# Altium PCB iMX6 Rex_V1I1_PCB.PcbDoc (part 3 of 8) (continued)
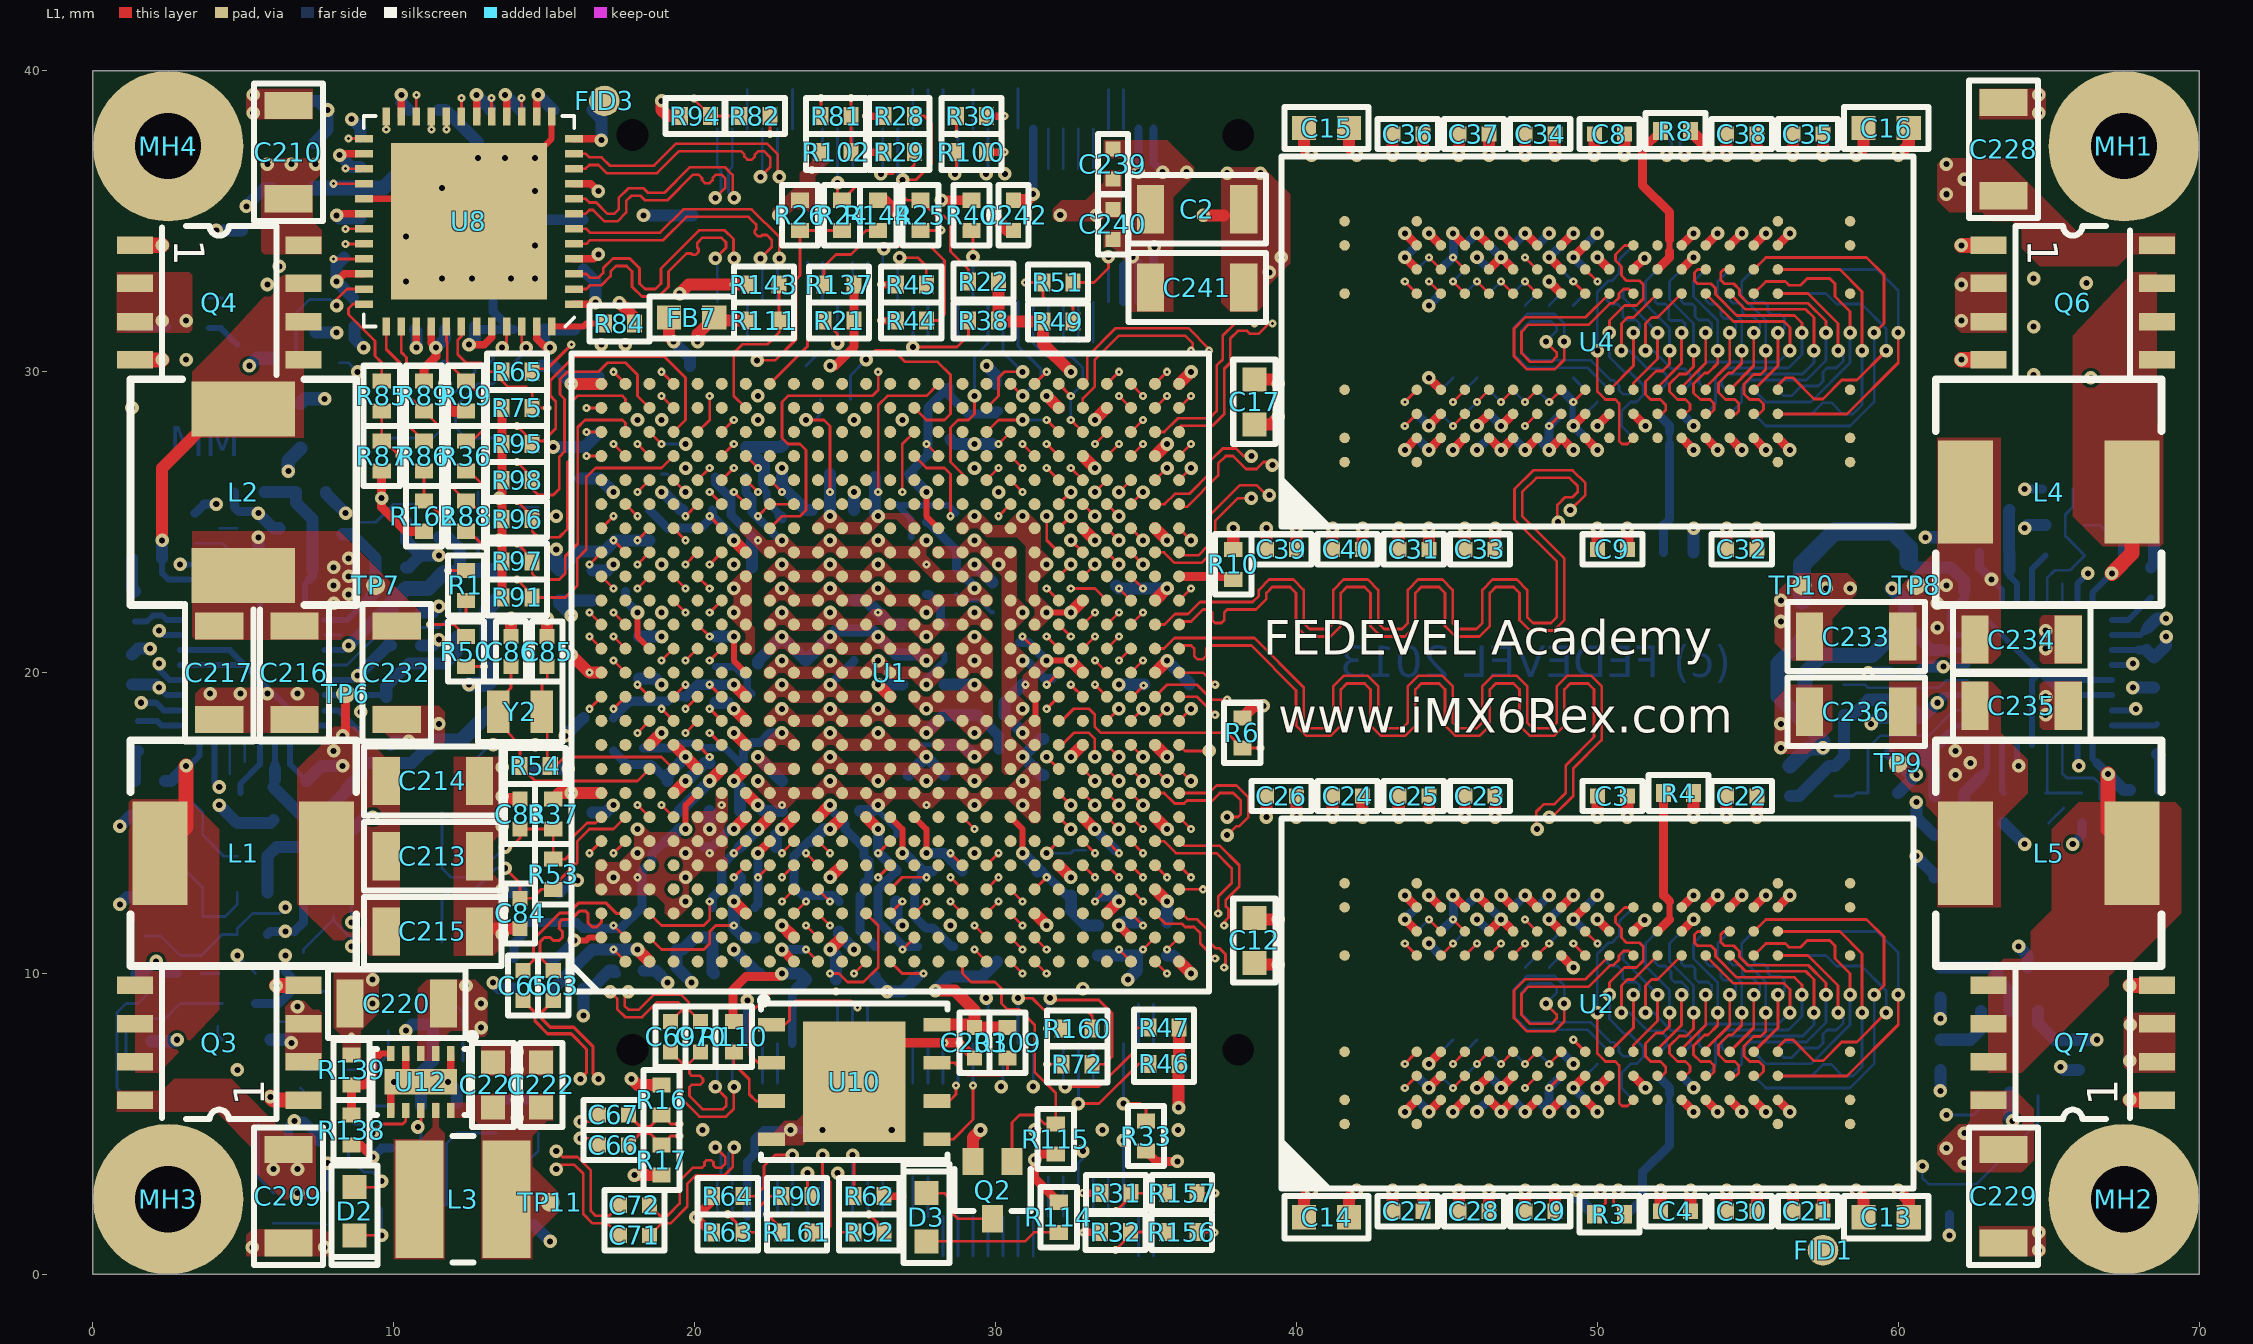
[diagram p0: L1 view]
## Nets (pads, with @x,y where several pads share a name; then routed paths per layer and width w, separated by ;. In a path a pad name is that pad's centre, name@x,y a point inside that pad or via, vN(x,y) a via of type N, cw(c..) or ccw(c..) an arc to the next point about the centre after c; other vN are vias at no path point) (continued)
DRAM_A10: U1.AA15 U2.L7 U3.L7 U4.L7 U5.L7 | length 73.3
  L1 w0.093: U1.AA15@32.9,21.6 v2(33.3,22) ; v1(50.8,8.7) 50.8,9.6 51,9.8 51.2,9.8 U2.L7@52,10.6 ; v1(50.8,30.7) 50.8,31.6 51,31.8 51.2,31.8 U4.L7@52,32.6
  L2 w0.1: v3(33,22.3) v2(33.3,22)
  L3 w0.08: v3(33,22.3) 33.7,23 33.985,23 34.4,22.585 34.698,22.585 35.513,23.4 48.7,23.4 49.1,23 49.1,21.9 48.95,21.75 48.7,21.75 48.55,21.9 48.55,22.65 48.4,22.8 48.15,22.8 48,22.65 48,21.9 47.85,21.75 47.6,21.75 47.45,21.9 47.45,22.65 47.3,22.8 45.9,22.8 45.7,22.6 45.7,22.2 45.9,22 v4(46.4,22)
  L10 w0.08: v1(50.8,8.7) 50.8,9.6 52.24,11.04 52.24,11.964 51.97,12.235 51.97,13.275 50.82,14.425 50.679,14.425 50.279,14.825 49.845,14.825 49.57,15.1 49.57,15.455 49.025,16 47.017,16 46.55,16.467 46.55,18.5 46.125,18.925 46.125,19.325 46.7,19.9 46.7,21.8 46.5,22 v4(46.4,22) 46.3,22 46.1,21.8 46.1,20.1 45.95,19.95 45.65,19.95 45.5,20.1 45.5,22.017 45.883,22.4 46.4,22.4 46.6,22.6 46.6,23 46.8,23.2 48.583,23.2 49.808,24.425 50.155,24.425 50.375,24.645 50.375,25.242 52.267,27.134 52.267,28.987 50.8,30.454 v1(50.8,30.7)
  L12 w0.093: v1(50.8,8.7) 51.07,8.7 51.67,8.1 52.1,8.1 52.3,7.9 52.3,7.6 52.1,7.4 U3.L7@52,7.4 ; v1(50.8,30.7) 51.07,30.7 51.67,30.1 52.1,30.1 52.3,29.9 52.3,29.6 52.1,29.4 U5.L7@52,29.4
DRAM_A11: U1.AC12 U2.R7 U3.R7 U4.R7 U5.R7 | length 74.5
  L1 w0.093: U1.AC12@34.525,19.175 v2(34.925,19.575) ; U2.R7@55.2,10.6 55.6,11 56.25,11 56.375,10.875 56.75,10.875 56.975,11.1 57.725,11.1 57.9,10.925 57.9,10.5 58.4,10 v1(58.4,9.3) ; U4.R7@55.2,32.6 55.6,33 56.25,33 56.375,32.875 56.75,32.875 56.975,33.1 57.725,33.1 57.9,32.925 57.9,32.5 58.4,32 v1(58.4,31.3)
  L2 w0.1: v2(34.925,19.575) v3(35.225,19.275)
  L3 w0.08: v3(35.225,19.275) 34.845,19.275 34.525,18.955 34.525,18.645 34.745,18.425 35.855,18.425 36.125,18.695 36.125,19.125 36.85,19.85 38.813,19.85 40.913,17.75 44.388,17.75 44.513,17.875 45.77,17.875 46.145,17.5 51.184,17.5 52.684,19 54.17,19 54.745,19.575 55.575,19.575 55.775,19.775 57.075,19.775 57.375,20.075 58.375,20.075 58.525,20.225 58.525,20.475 58.375,20.625 58.225,20.625 v4(58.1,20.5)
  L10 w0.08: v1(58.4,9.3) 58.4,10 59.475,11.075 59.475,18.455 59.255,18.675 58.925,18.675 58.1,19.5 v4(58.1,20.5) 58.1,20.9 58.3,21.1 58.3,22.17 58.775,22.645 58.775,22.955 58.365,23.365 58.365,23.699 59.8,25.134 59.8,29.099 58.4,30.499 v1(58.4,31.3)
  L12 w0.093: U3.R7@55.2,7.4 55.6,7 57.1,7 58.4,8.3 v1(58.4,9.3) ; U5.R7@55.2,29.4 55.6,29 57.1,29 58.4,30.3 v1(58.4,31.3)
DRAM_A12: U1.AD12 U2.N7 U3.N7 U4.N7 U5.N7 | length 74
  L1 w0.093: U1.AD12@35.3,19.2 35.7,19.6 36.7,19.6 37.2,19.1 v2(37.7,19.1) ; U2.N7@53.6,10.6 54.525,9.675 56.2,9.675 56.4,9.475 v1(56.4,8.7) ; U4.N7@53.6,32.6 54.525,31.675 56.2,31.675 56.4,31.475 v1(56.4,30.7)
  L2 w0.1: v2(37.7,19.1) v3(38,18.8)
  L3 w0.08: v3(38,18.8) 38,18.4 38.325,18.075 39.1,18.075 39.275,17.9 39.275,17.625 39.488,17.413 39.951,17.413 40.613,16.75 44.52,16.75 44.845,17.075 45.438,17.075 46.013,16.5 55.1,16.5 55.3,16.7 55.3,16.9 55.2,17 55.2,17.2 55.3,17.3 55.3,17.65 55.15,17.8 54.95,17.8 54.8,17.95 54.8,18.9 55.075,19.175 55.655,19.175 55.93,18.9 56.9,18.9 57.05,19.05 57.05,19.3 56.9,19.45 56.05,19.45 v4(56,19.4)
  L10 w0.08: v1@56.375,8.725 56.375,9.875 58.2,11.7 58.2,16 58,16.2 58,16.4 58.2,16.6 58.2,17.338 57.663,17.875 57.191,17.875 56.866,18.2 56.53,18.2 56.255,17.925 55.875,17.925 55.725,18.075 55.725,18.455 55.945,18.675 56.275,18.675 56.4,18.8 56.4,19.1 56.1,19.4 v4(56,19.4) 55.8,19.4 54.525,20.675 54.525,21.725 58.55,25.75 58.55,28.45 56.4,30.6 v1(56.4,30.7)
  L12 w0.093: U3.N7@53.6,7.4 53.375,7.625 53.375,8.05 53.65,8.325 56.025,8.325 v1(56.4,8.7) ; U5.N7@53.6,29.4 53.375,29.625 53.375,30.05 53.65,30.325 56.025,30.325 v1(56.4,30.7)
DRAM_A13: U1.AC17 U2.T3 U3.T3 U4.T3 U5.T3 | length 73.5
  L1 w0.093: U1.AC17@34.5,23.2 v2(34.9,22.8) ; U2.T3@56,7.4 56,7.55 56.25,7.8 56.5,7.8 57.2,7.1 57.5,7.1 58.125,7.725 58.625,7.725 v1(59.6,8.7) ; U4.T3@56,29.4 56,29.55 56.25,29.8 56.4,29.8 56.5,29.8 57.2,29.1 57.5,29.1 58.125,29.725 58.625,29.725 v1(59.6,30.7)
  L2 w0.1: v2(34.9,22.8) v3(35.2,22.5)
  L3 w0.08: v3(35.2,22.5) 35.275,22.425 35.855,22.425 36.03,22.6 39.599,22.6 40.749,21.45 44.22,21.45 44.569,21.101 46.7,21.101 47.426,20.375 49.158,20.375 49.258,20.475 51.058,20.475 51.483,20.9 52.8,20.9 52.9,21 54.37,21 54.745,20.625 55.055,20.625 55.5,21.07 55.5,22.33 55.945,22.775 57.025,22.775 57.8,22 59.4,22 59.8,21.6 v4(59.8,20)
  L10 w0.08: v1(59.6,8.7) 59.6,9.8 60.225,10.425 60.225,19 59.8,19.425 v4(59.8,20) 59.8,20.8 60,21 60.3,21 60.5,21.2 60.5,23.603 60.275,23.828 60.275,24.458 60.55,24.733 60.55,29.75 v1(59.6,30.7)
  L12 w0.093: U3.T3@56,10.6 57.6,10.6 57.95,10.25 58.78,10.25 59.6,9.43 v1(59.6,8.7) ; U5.T3@56,32.6 57.6,32.6 57.95,32.25 58.78,32.25 59.6,31.43 v1(59.6,30.7)
DRAM_A14: U1.AA12 U2.T7 U3.T7 U4.T7 U5.T7 | length 69.7
  L1 w0.093: v2(32.5,19.6) U1.AA12@32.9,19.2 ; U2.T7@56,10.6 57,10.6 58,9.6 v1(58,8.7) ; U4.T7@56,32.6 57,32.6 58,31.6 v1(58,30.7)
  L2 w0.1: v2(32.5,19.6) v3(32.8,19.3)
  L3 w0.08: v3(32.8,19.3) 32.7,19.2 32.7,17.53 32.875,17.355 32.875,16.225 33.075,16.025 36.062,16.025 36.262,15.825 36.738,15.825 36.913,16 55.426,16 56.675,17.249 56.675,17.7 57,18.025 57,18.6 57.25,18.85 57.25,19.25 v4(57.7,19.7)
  L10 w0.08: v1(58,8.7) 58,10.075 59.2,11.275 59.2,17.67 58.7,18.17 58.7,18.5 58.2,19 57.9,19 57.55,19.35 57.55,19.55 v4(57.7,19.7) 57.7,20.9 58,21.2 58,23.717 59.55,25.267 59.55,28.995 58,30.545 v1(58,30.7)
  L12 w0.093: U3.T7@56,7.4 56.2,7.2 56.45,7.2 56.775,7.525 57.342,7.525 57.504,7.687 57.504,7.996 57.633,8.125 57.942,8.125 58.175,8.358 58.175,8.525 v1(58,8.7) ; U5.T7@56,29.4 56.2,29.2 56.45,29.2 56.775,29.525 57.342,29.525 57.504,29.687 57.504,29.996 57.633,30.125 57.942,30.125 58.175,30.358 58.175,30.525 v1(58,30.7)
DRAM_A15: U1.Y12 U2.M7 U3.M7 U4.M7 U5.M7 | length 71.4
  L1 w0.093: v2(31.7,18.8) U1.Y12@32.1,19.2 ; v1(51.6,8.7) 51.6,9.6 51.8,9.8 52,9.8 U2.M7@52.8,10.6 ; v1(51.6,30.7) 51.6,31.6 51.8,31.8 52,31.8 U4.M7@52.8,32.6
  L2 w0.1: v2(31.7,18.8) v3(32,19.1)
  L3 w0.08: v3(32,19.1) 31.7,19.1 31.5,18.9 31.5,18.6 31.3,18.4 30.3,18.4 29.9,18 29.9,16.95 30.05,16.8 30.35,16.8 30.5,16.95 30.5,17.4 30.7,17.6 31.1,17.6 31.3,17.4 31.3,16.9 31.5,16.7 31.9,16.7 32.1,16.9 32.1,17.77 32.43,18.1 32.43,19.4 32.63,19.6 33.1,19.6 33.315,19.815 33.315,20.218 33.497,20.4 33.986,20.4 34.193,20.607 34.607,20.607 35.439,19.775 35.892,19.775 36.467,20.35 39.004,20.35 41.104,18.25 44.323,18.25 44.373,18.3 45.91,18.3 46.235,17.975 47.075,17.975 v4(47.2,18.1)
  L10 w0.08: v1(51.6,8.7) 51.6,9.6 52.825,10.825 52.825,12 52.54,12.285 52.54,13.385 51.1,14.825 50.845,14.825 50.625,15.045 50.625,15.45 49.575,16.5 47.8,16.5 47.65,16.65 47.65,16.85 47.8,17 48,17 48.15,17.15 48.15,19.1 48,19.25 47.75,19.25 47.6,19.1 47.6,18.2 47.5,18.1 v4(47.2,18.1) 47,18.3 47,19.25 47.3,19.55 47.3,22.25 47.75,22.7 48.817,22.7 50.142,24.025 50.321,24.025 50.721,24.425 51.205,24.425 51.375,24.595 51.375,25.555 52.8,26.98 52.8,29.161 51.6,30.361 v1(51.6,30.7)
  L12 w0.093: v1(51.6,8.7) 51.87,8.7 52.47,8.1 52.9,8.1 53.1,7.9 53.1,7.6 52.9,7.4 U3.M7@52.8,7.4 ; v1(51.6,30.7) 51.87,30.7 52.47,30.1 52.9,30.1 53.1,29.9 53.1,29.6 52.9,29.4 U5.M7@52.8,29.4
DRAM_CAS_B: U1.AE16 U2.K3 U3.K3 U4.K3 U5.K3 | length 70.7
  L1 w0.093: U1.AE16@36.1,22.4 v2(36.5,22.8) ; U2.K3@51.2,7.4 51.2,7.625 52,8.425 v1(52,9.3) ; U4.K3@51.2,29.4 51.2,29.625 52,30.425 v1(52,31.3)
  L2 w0.1: v3(36.2,23.1) v2(36.5,22.8)
  L3 w0.08: v3(36.2,23.1) 36.45,23.1 36.7,22.85 36.95,22.85 37.25,23.15 37.5,23.15 37.8,22.85 38.05,22.85 38.35,23.15 38.6,23.15 38.9,22.85 39.15,22.85 39.45,23.15 39.7,23.15 39.85,23 39.85,22.651 40,22.501 40.25,22.501 40.4,22.651 40.4,23 40.55,23.15 40.8,23.15 40.95,23 40.95,21.801 41.1,21.651 41.35,21.651 41.5,21.801 41.5,23 41.65,23.15 41.9,23.15 42.05,23 42.05,21.801 42.2,21.651 42.45,21.651 42.6,21.801 42.6,23 42.75,23.15 43,23.15 43.15,23 43.15,21.801 43.3,21.651 43.55,21.651 43.7,21.801 43.7,23 43.85,23.15 44.1,23.15 44.25,23 44.25,22.051 44.4,21.901 44.65,21.901 44.8,22.051 44.8,23 44.95,23.15 45.2,23.15 45.35,23 45.35,21.775 45.5,21.625 47.375,21.625 47.5,21.5 48.7,21.5 48.85,21.35 48.85,21.05 48.7,20.9 47.8,20.9 v4(47.7,21)
  L10 w0.08: v1(52,9.3) 52,9.6 53.575,11.175 53.575,11.955 53.33,12.2 53.07,12.2 52.825,12.445 52.825,13.45 51.375,14.9 51.375,15.355 51.155,15.575 50.85,15.575 49.675,16.75 48.9,16.75 48.4,17.25 48.4,19.2 48.15,19.45 47.85,19.45 47.7,19.6 47.7,19.85 47.85,20 48.2,20 48.35,20.15 48.35,20.4 48.2,20.55 47.9,20.55 47.7,20.75 v4(47.7,21) 47.7,22.3 47.85,22.45 48.1,22.45 48.25,22.3 48.25,21.35 48.4,21.2 48.65,21.2 48.8,21.35 48.8,22.35 50.275,23.825 50.404,23.825 50.729,24.15 51.263,24.15 51.625,24.512 51.625,25.475 53.175,27.025 53.355,27.025 53.575,27.245 53.575,28.355 53.13,28.8 53.13,29.17 52,30.3 v1(52,31.3)
  L12 w0.093: U3.K3@51.2,10.6 51.075,10.725 50.925,10.725 50.85,10.65 50.85,10.463 v1@52,9.313 ; U5.K3@51.2,32.6 51.075,32.725 50.925,32.725 50.85,32.65 50.85,32.463 v1@52,31.313
DRAM_CLK0_N: R2.1 U1.AE15 U4.K7 U5.K7 | length 64.1
  L1 w0.09: U1.AE15@36.1,21.6 36.2,21.7 36.5,21.7 36.9,22.1 37.1,22.1 37.2,22 37.2,21.75 37.3,21.65 37.5,21.65 37.6,21.75 37.6,22 37.7,22.1 38.65,22.1 39,22.45 39,22.65 39.196,22.846 39.792,22.846 39.988,22.65 39.988,21.546 40.331,21.204 41.133,21.204 41.476,21.546 41.476,22.65 41.672,22.846 42.268,22.846 42.464,22.65 42.464,21.546 42.807,21.204 43.609,21.204 43.952,21.546 43.952,22.65 44.148,22.846 44.744,22.846 44.94,22.65 44.94,21.546 45.283,21.204 46.085,21.204 46.428,21.546 46.428,22.65 46.624,22.846 47.22,22.846 47.416,22.65 47.416,21.746 47.759,21.404 48.561,21.404 48.904,21.746 48.904,23.796 47.977,24.723 47.5,25.2 47.5,26 47.973,26.473 49.073,26.473 49.35,26.196 49.35,26.004 49.176,25.83 48.922,25.83 48.67,25.578 48.67,25.03 v1(48.7,25) ; v1(48.3,31) 48.3,30.992 48.65,30.642 48.65,30.504 48.476,30.33 47.77,30.33 47.48,30.62 47.48,31.327 47.718,31.565 49.718,31.565 50.434,32.28 50.54,32.28 50.72,32.46 50.72,32.6 50.87,32.75 51.05,32.75 U4.K7@51.2,32.6
  L10 w0.085: v1(48.7,25) 48.22,25.48 48.22,25.916 49.304,27 50.12,27 50.368,27.248 50.368,28.352 48.3,30.42 v1(48.3,31) 48.3,31.196 49.104,32 49.9,32 50.487,32.587 50.487,34.387 52.3,36.2 v1(52.3,37.2)
  L12 w0.09: v1(48.3,31) 48.3,31.008 48.65,31.358 48.65,31.496 48.476,31.67 ; 48.476,31.67 47.77,31.67 47.48,31.381 47.48,30.673 47.768,30.385 49.768,30.385 50.434,29.72 50.54,29.72 50.72,29.54 50.72,29.4 50.87,29.25 51.05,29.25 U5.K7@51.2,29.4 ; R2.1@52.1,38 52.471,37.629 52.471,37.379 52.3,37.208 v1(52.3,37.2)
DRAM_CLK0_P: R2.2 U1.AD15 U4.J7 U5.J7 | length 64.1
  L1 w0.09: U1.AD15@35.3,21.6 35.612,21.6 35.962,21.95 36.396,21.95 36.796,22.35 38.546,22.35 38.75,22.554 38.75,22.754 39.093,23.096 39.895,23.096 40.238,22.754 40.238,21.65 40.434,21.454 41.03,21.454 41.226,21.65 41.226,22.754 41.569,23.096 42.371,23.096 42.714,22.754 42.714,21.65 42.91,21.454 43.506,21.454 43.702,21.65 43.702,22.754 44.045,23.096 44.847,23.096 45.19,22.754 45.19,21.65 45.386,21.454 45.982,21.454 46.178,21.65 46.178,22.754 46.521,23.096 47.323,23.096 47.666,22.754 47.666,21.85 47.862,21.654 48.458,21.654 48.654,21.85 48.654,23.692 47.25,25.096 47.25,26.104 47.87,26.723 49.177,26.723 49.6,26.3 49.6,25.9 v1(49.1,25.4) ; v1(48.9,31) 48.9,30.4 48.58,30.08 47.666,30.08 47.23,30.516 47.23,31.43 47.615,31.815 49.615,31.815 U4.J7@50.4,32.6
  L10 w0.085: v1(49.1,25.4) 49.037,25.463 48.633,25.463 48.5,25.596 48.5,25.8 49.42,26.72 50.236,26.72 50.648,27.132 50.648,28.468 48.58,30.536 48.58,30.626 48.9,30.946 v1(48.9,31) 48.9,31.4 49.22,31.72 50.016,31.72 50.767,32.471 50.767,34.271 52.58,36.084 52.58,36.68 52.9,37 v1(52.9,37.2)
  L12 w0.09: v1(48.9,31) 48.9,31.6 48.58,31.92 47.666,31.92 47.23,31.484 47.23,30.57 47.665,30.135 49.664,30.135 U5.J7@50.4,29.4 ; v1(52.9,37.2) 52.746,37.354 52.746,37.646 R2.2@53.1,38
DRAM_CLK1_N: R3.1 U1.AE14 U2.K7 U3.K7 | length 64.1
  L1 w0.09: U1.AE14@36.1,20.8 36.2,20.9 36.5,20.9 36.6,20.8 36.6,20.55 36.7,20.45 36.9,20.45 37,20.55 37,20.8 37.1,20.9 38.5,20.9 39.988,19.412 39.988,18.243 40.331,17.9 41.133,17.9 41.476,18.243 41.476,19.446 41.672,19.643 42.268,19.643 42.464,19.446 42.464,18.243 42.807,17.9 43.609,17.9 43.952,18.243 43.952,19.446 44.148,19.643 44.744,19.643 44.94,19.446 44.94,18.243 45.283,17.9 46.085,17.9 46.428,18.243 46.428,19.446 46.624,19.643 47.22,19.643 47.416,19.446 47.416,18.243 47.759,17.9 48.561,17.9 48.904,18.243 48.904,19.446 49.1,19.643 49.696,19.643 49.892,19.446 49.892,17.859 48.95,16.917 48.95,16.004 48.576,15.63 48.222,15.63 47.97,15.378 47.97,14.83 v1(48,14.8) ; v1(48.3,9) 48.3,8.992 48.65,8.642 48.65,8.504 48.476,8.33 47.77,8.33 47.48,8.62 47.48,9.327 47.718,9.565 49.718,9.565 50.434,10.28 50.54,10.28 50.72,10.46 50.72,10.6 50.87,10.75 51.05,10.75 U2.K7@51.2,10.6 ; R3.1@49.9,2 50.271,2.371 50.271,2.621 50.1,2.792 v1(50.1,2.8)
  L10 w0.085: v1(48,14.8) 48.063,14.737 48.467,14.737 48.6,14.604 48.6,14.2 49.832,12.968 50.152,12.968 50.368,12.752 50.368,11.263 49.567,10.463 49.567,10.048 49.252,9.732 48.944,9.732 48.3,9.089 v1(48.3,9) 48.3,8.92 48.52,8.7 48.52,8.484 49.102,7.902 50.298,7.902 50.92,7.28 50.92,4.616 50.22,3.916 50.22,2.92 v1(50.1,2.8)
  L12 w0.09: v1(48.3,9) 48.3,9.008 48.65,9.358 48.65,9.496 ; 48.646,9.501 48.476,9.67 47.77,9.67 47.48,9.381 47.48,8.673 47.768,8.386 49.768,8.386 50.434,7.72 50.54,7.72 50.72,7.54 50.72,7.4 50.87,7.25 51.05,7.25 U3.K7@51.2,7.4
DRAM_CLK1_P: R3.2 U1.AD14 U2.J7 U3.J7 | length 64
  L1 w0.09: U1.AD14@35.3,20.8 35.6,20.8 35.95,21.15 38.604,21.15 40.238,19.516 40.238,18.346 40.434,18.15 41.03,18.15 41.226,18.346 41.226,19.55 41.569,19.893 42.371,19.893 42.714,19.55 42.714,18.346 42.91,18.15 43.506,18.15 43.702,18.346 43.702,19.55 44.045,19.893 44.847,19.893 45.19,19.55 45.19,18.346 45.386,18.15 45.982,18.15 46.178,18.346 46.178,19.55 46.521,19.893 47.323,19.893 47.666,19.55 47.666,18.346 47.862,18.15 48.458,18.15 48.654,18.346 48.654,19.55 48.997,19.893 49.799,19.893 50.142,19.55 50.142,17.755 49.2,16.813 49.2,15.9 48.5,15.2 v1(48.4,15.2) ; v1(48.9,9) 48.9,8.4 48.58,8.08 47.666,8.08 47.23,8.516 47.23,9.43 47.615,9.815 49.615,9.815 U2.J7@50.4,10.6 ; v1(50.7,2.8) 50.546,2.646 50.546,2.354 R3.2@50.9,2
  L10 w0.085: v1(48.4,15.2) 48.88,14.72 48.88,14.316 49.948,13.248 50.268,13.248 50.648,12.868 50.648,11.148 49.847,10.347 49.847,9.932 49.368,9.452 49.06,9.452 48.9,9.293 v1(48.9,9) 48.8,8.9 48.8,8.6 49.218,8.182 50.414,8.182 51.2,7.396 51.2,4.5 50.5,3.8 50.5,3 v1(50.7,2.8)
  L12 w0.09: v1(48.9,9) 48.9,9.6 48.58,9.92 47.666,9.92 47.23,9.484 47.23,8.57 47.665,8.136 49.664,8.136 U3.J7@50.4,7.4
DRAM_CS0_B: U1.Y16 U2.L2 U3.L2 U4.L2 U5.L2 | length 73.8
  L1 w0.093: v2(31.7,22.8) U1.Y16@32.1,22.4 ; U2.L2@52,6.6 52.15,6.6 52.275,6.725 52.275,6.9 52.1,7.075 51.775,7.075 51.6,7.25 51.6,7.675 51.946,8.021 52.171,8.021 52.4,8.25 v1(52.4,8.7) ; U4.L2@52,28.6 52.15,28.6 52.275,28.725 52.275,28.9 52.1,29.075 51.775,29.075 51.6,29.25 51.6,29.675 51.946,30.021 52.171,30.021 52.4,30.25 v1(52.4,30.7)
  L2 w0.1: v3(31.4,22.5) v2(31.7,22.8)
  L3 w0.08: v3(31.4,22.5) 31.715,22.815 32.415,22.815 32.9,23.3 32.9,24.53 33.145,24.775 36.655,24.775 37.28,24.15 50.4,24.15 50.55,24 50.55,23.75 50.4,23.6 50,23.6 49.85,23.45 49.85,23.2 50,23.05 50.4,23.05 50.55,22.9 50.55,22.65 50.4,22.5 50,22.5 49.85,22.35 49.85,22.1 50,21.95 50.35,21.95 50.5,21.8 50.5,21.55 50.35,21.4 50.1,21.4 v4(50,21.3)
  L10 w0.08: v1(52.4,8.7) 52.4,9.6 53.8,11 53.8,12.2 53.625,12.375 53.625,13 51.625,15 51.625,15.388 51.238,15.775 51,15.775 49.775,17 49.1,17 48.65,17.45 48.65,20.5 49.15,21 49.9,21 50,21.1 v4(50,21.3) 50,21.45 49.9,21.55 49.2,21.55 49.05,21.7 49.05,21.95 49.2,22.1 50.35,22.1 50.5,22.25 50.5,22.5 50.35,22.65 50,22.65 49.85,22.8 49.85,22.988 50.762,23.9 51.346,23.9 51.875,24.429 51.875,25.262 53.638,27.025 54.155,27.025 54.375,27.245 54.375,27.555 54.595,27.775 54.75,27.775 54.9,27.925 54.9,28.175 54.75,28.325 54.475,28.325 54.25,28.1 54,28.1 53.85,28.25 53.85,29.233 53.391,29.691 52.909,29.691 52.741,29.859 52.741,30.341 52.4,30.683 v1(52.4,30.7)
  L12 w0.093: U3.L2@52,11.4 51.6,11 51.6,10.25 52.4,9.45 v1(52.4,8.7) ; U5.L2@52,33.4 51.6,33 51.6,32.25 52.4,31.45 v1(52.4,30.7)
DRAM_D0: U1.AD2 U2.D7 | length 17.3
  L1 w0.093: v2(34.9,10.8) U1.AD2@35.3,11.2 ; v3(46.4,10.6) v2(46.8,11)
  L2 w0.1: v2(34.9,10.8) v3(35.2,11.1) ; v3(46.4,10.6) v2(46.8,11)
  L3 w0.08: v3(35.2,11.1) 35,11.3 35,12.513 35.472,12.985 36.801,12.985 37.153,12.633 39.248,12.633 39.657,13.042 42.608,13.042 43,12.65 43,12.2 43.225,11.975 43.225,11.645 43.445,11.425 44.012,11.425 44.287,11.7 44.903,11.7 45.2,11.403 45.2,11.2 45.5,10.9 46.1,10.9 v3(46.4,10.6)
DRAM_D1: U1.AE2 U2.B8 | length 17.3
  L1 w0.093: v2(35.7,10.8) U1.AE2@36.1,11.2 ; v2(44.4,11.8) v3(44.8,11.4)
  L2 w0.1: v2(35.7,10.8) v3(36,11.1) ; v2(44.4,11.8) v3(44.8,11.4)
  L3 w0.08: v3(36,11.1) 36,10.8 35.9,10.7 35.7,10.7 35.485,10.915 35.485,11.385 35.6,11.5 35.985,11.5 36.1,11.615 36.1,11.867 35.967,12 35.4,12 35.225,12.175 35.225,12.455 35.555,12.785 36.718,12.785 37.136,12.367 39.382,12.367 39.8,12.785 40.315,12.785 40.5,12.6 40.7,12.6 40.885,12.785 42.532,12.785 42.8,12.517 42.8,11.7 43.338,11.162 44.032,11.162 44.37,11.5 44.7,11.5 v3(44.8,11.4)
DRAM_D2: U1.AC4 U2.C8 | length 17.3
  L1 w0.093: U1.AC4@34.5,12.8 v2(34.9,12.4) ; v2(45.2,11.8) v3(45.6,11.4)
  L2 w0.1: v3(34.6,12.1) v2(34.9,12.4) ; v2(45.2,11.8) v3(45.6,11.4)
  L3 w0.08: v3(34.6,12.1) 34.6,12.623 35.162,13.185 36.884,13.185 37.169,12.9 39.2,12.9 39.6,13.3 42.9,13.3 43.2,13 43.2,12.4 43.4,12.2 43.75,12.2 44,11.95 45.55,11.95 45.8,12.2 46.2,12.2 46.425,11.975 46.425,11.695 46.13,11.4 v3(45.6,11.4)
DRAM_D3: U1.AA5 U2.A3 | length 17.3
  L1 w0.093: U1.AA5@32.9,13.6 v2(33.3,13.2) ; v2(43.6,7) U2.A3@44,7.4
  L2 w0.1: v2(33.3,13.2) v3(33.6,12.9) ; v3(43.2,6.6) v2(43.6,7)
  L3 w0.08: v3(33.6,12.9) 33.6,12.503 33.315,12.218 33.315,11.572 34.102,10.785 34.518,10.785 34.7,10.603 34.7,10.313 34.975,10.038 34.975,9.768 37,7.743 37,7.183 37.783,6.4 38.5,6.4 39.2,5.7 42.9,5.7 43.3,6.1 43.3,6.5 v3(43.2,6.6)
DRAM_D4: U1.AC1 U2.C2 | length 17.3
  L1 w0.093: v2(34.1,10.8) U1.AC1@34.5,10.4 ; v2(45.2,6.2) v3(45.6,6.6)
  L2 w0.1: v2(34.1,10.8) v3(34.4,10.5) ; v2(45.2,6.2) v3(45.6,6.6)
  L3 w0.08: v3(34.4,10.5) 34.4,10.33 34.775,9.955 34.775,9.593 36.7,7.668 36.7,7.2 37.8,6.1 38.4,6.1 39.1,5.4 43.07,5.4 43.67,6 43.9,6 44.125,5.775 44.575,5.775 44.775,5.975 44.775,6.675 44.9,6.8 45.5,6.8 45.6,6.7 v3(45.6,6.6)
DRAM_D5: U1.AD1 U2.C3 | length 17.3
  L1 w0.093: U1.AD1@35.3,10.4 v2(35.7,10) ; v2(45.2,7) v3(45.6,7.4)
  L2 w0.1: v3(35.4,10.3) v2(35.7,10) ; v2(45.2,7) v3(45.6,7.4)
  L3 w0.08: v3(35.4,10.3) 35.4,10.2 36.9,8.7 38.613,8.7 39.3,8.013 39.3,6.6 39.6,6.3 39.9,6.3 40.05,6.45 40.05,6.65 40.2,6.8 40.5,6.8 40.65,6.65 40.65,6.35 40.8,6.2 41.1,6.2 41.25,6.35 41.25,6.65 41.4,6.8 41.7,6.8 41.85,6.65 41.85,6.35 42,6.2 42.2,6.2 42.35,6.35 42.35,6.55 43.1,7.3 44.17,7.3 44.245,7.375 44.555,7.375 44.88,7.05 45.25,7.05 v3(45.6,7.4)
DRAM_D6: U1.AB4 U2.A2 | length 17.3
  L1 w0.093: v2(33.3,12.4) U1.AB4@33.7,12.8 ; v2(43.6,6.2) v3(44,6.6)
  L2 w0.1: v2(33.3,12.4) v3(33.6,12.1) ; v2(43.6,6.2) v3(44,6.6)
  L3 w0.08: v3(33.6,12.1) 33.6,11.57 33.945,11.225 34.163,11.225 34.403,10.985 34.601,10.985 34.9,10.686 34.9,10.396 35.175,10.121 35.175,10.025 36.8,8.4 38.5,8.4 39,7.9 39,6.4 39.45,5.95 42.575,5.95 42.8,6.175 42.8,6.603 43.197,7 43.6,7 v3(44,6.6)
DRAM_D7: U1.AE4 U2.A7 | length 17.3
  L1 w0.093: U1.AE4@36.1,12.8 v2(36.9,12.8) ; v2(43.6,11) v3(44,10.6)
  L2 w0.1: v3(36.6,12.5) v2(36.9,12.8) ; v2(43.6,11) v3(44,10.6)
  L3 w0.08: v3(36.6,12.5) 36.275,12.5 36.125,12.35 36.125,12.175 36.25,12.05 38.85,12.05 39,11.9 39,11.67 39.245,11.425 39.555,11.425 39.8,11.67 39.8,12.4 39.95,12.55 40.2,12.55 40.35,12.4 40.35,11.57 40.5,11.42 40.75,11.42 40.9,11.57 40.9,12.4 41.05,12.55 41.3,12.55 41.45,12.4 41.45,11.67 41.6,11.52 41.85,11.52 42,11.67 42,12.43 42.15,12.58 42.4,12.58 42.55,12.43 42.55,11.45 43.1,10.9 43.7,10.9 v3(44,10.6)
DRAM_D8: U1.AD5 U2.E3 | length 27.6
  L1 w0.093: U1.AD5@35.3,13.6 v2(35.7,13.2) ; v2(46.8,7) v3(47.2,7.4)
  L2 w0.1: v3(35.4,13.5) v2(35.7,13.2) ; v2(46.8,7) v3(47.2,7.4)
  L3 w0.08: v3(35.4,13.5) 35.003,13.5 34.503,13 34.085,13 33.9,13.185 33.482,13.185 33.3,13.003 33.3,12.7 33,12.4 33,11.1 34.025,10.075 34.025,9.375 38.7,4.7 44.6,4.7 44.8,4.9 44.8,5.6 45,5.8 45.4,5.8 45.6,5.6 45.6,5.1 45.837,4.863 46.163,4.863 46.4,5.1 46.4,6.4 46.6,6.6 47,6.6 47.2,6.8 v3(47.2,7.4)
DRAM_D9: U1.AE5 U2.F7 | length 27.6
  L1 w0.093: U1.AE5@36.1,13.6 v2(36.5,13.2) ; v3(48,10.6) v2(48.4,11)
  L2 w0.1: v3(36.2,13.5) v2(36.5,13.2) ; v3(48,10.6) v2(48.4,11)
  L3 w0.08: v3(36.2,13.5) 35.9,13.5 35.75,13.65 35.75,13.85 35.9,14 36.3,14 36.7,13.6 36.9,13.6 37.2,13.3 38.7,13.3 39.2,13.8 43.5,13.8 43.7,13.6 43.7,13.08 43.85,12.93 44.1,12.93 44.25,13.08 44.25,13.6 44.4,13.75 44.65,13.75 44.8,13.6 44.8,12.4 45,12.2 45.4,12.2 45.6,12.4 45.6,13.6 45.75,13.75 46,13.75 46.15,13.6 46.15,13.08 46.3,12.93 46.55,12.93 46.7,13.08 46.7,13.6 46.85,13.75 47.05,13.75 47.225,13.575 47.225,11.525 47.1,11.4 46.7,11.4 46.55,11.25 46.55,10.938 46.8,10.688 46.8,10.544 47.029,10.315 48.515,10.315 48.7,10.5 48.7,10.9 48.5,11.1 48.1,11.1 48,11 v3(48,10.6)
DRAM_D10: U1.AA6 U2.G2 | length 27.6
  L1 w0.093: U1.AA6@32.9,14.4 v2(33.3,14) ; v2(48.4,6.2) U2.G2@48.8,6.6
  L2 w0.1: v3(33,14.3) v2(33.3,14) ; v2(48.4,6.2) v3(48.8,5.8)
  L3 w0.08: v3(33,14.3) 32.125,13.425 32.125,10.425 32.3,10.25 32.68,10.25 33.275,9.655 33.275,8.925 38.3,3.9 48,3.9 48.4,4.3 48.4,4.85 48.8,5.25 v3(48.8,5.8)
DRAM_D11: U1.AE7 U2.H7 | length 27.6
  L1 w0.093: U1.AE7@36.1,15.2 v2(36.5,14.8) ; v2(49.2,11) v3(49.6,10.6)
  L2 w0.1: v2(36.5,14.8) v3(36.8,15.1) ; v2(49.2,11) v3(49.6,10.6)
  L3 w0.08: v3(36.8,15.1) 36.8,14.97 37.545,14.225 38.055,14.225 38.63,14.8 47.37,14.8 47.77,14.4 48.13,14.4 48.53,14.8 52,14.8 52.8,14 52.8,12 52.6,11.8 52.1,11.8 51.95,11.65 51.95,11.35 52.1,11.2 52.8,11.2 52.95,11.05 52.95,10.75 52.8,10.6 v3(49.6,10.6)
DRAM_D12: U1.AB5 U2.H3 | length 27.6
  L1 w0.093: U1.AB5@33.7,13.6 v2(34.1,13.2) ; v2(49.2,7.8) v3(49.6,7.4)
  L2 w0.1: v3(33.8,13.5) v2(34.1,13.2) ; v2(49.2,7.8) v3(49.6,7.4)
  L3 w0.08: v3(33.8,13.5) 33.464,13.5 33.075,13.111 33.075,12.868 32.708,12.501 32.708,10.992 33.758,9.942 33.758,9.234 38.559,4.433 46.364,4.433 47.175,5.245 47.175,6.178 47.882,6.885 48.315,6.885 48.575,6.625 49.355,6.625 49.6,6.87 v3(49.6,7.4)
DRAM_D13: U1.AC5 U2.F2 | length 27.6
  L1 w0.093: U1.AC5@34.5,13.6 v2(34.9,13.2) ; v2(47.6,6.2) v3(48,6.6)
  L2 w0.1: v3(34.6,13.5) v2(34.9,13.2) ; v2(47.6,6.2) v3(48,6.6)
  L3 w0.08: v3(34.6,13.5) 34.368,13.5 34.083,13.785 33.365,13.785 32.875,13.295 32.875,13.045 32.417,12.586 32.417,10.918 33.5,9.834 33.5,9.118 38.451,4.167 47.367,4.167 47.6,4.4 47.6,4.87 48,5.27 v3(48,6.6)
DRAM_D14: U1.AB6 U2.F8 | length 27.6
  L1 w0.093: U1.AB6@33.7,14.4 v2(34.1,14) ; v2(47.6,11.8) v3(48,11.4)
  L2 w0.1: v3(33.8,14.3) v2(34.1,14) ; v2(47.6,11.8) v3(48,11.4)
  L3 w0.08: v3(33.8,14.3) 34.13,14.3 34.43,14.6 34.703,14.6 34.885,14.418 34.885,14.315 34.985,14.215 35.318,14.215 35.528,14.425 36.575,14.425 37,14 37.134,14 37.372,13.762 38.362,13.762 38.9,14.3 47.23,14.3 47.664,13.867 48.367,13.867 48.8,14.3 51.511,14.3 51.945,13.866 51.945,13.3 51.745,13.1 51.4,13.1 51.2,12.9 51.2,12.5 50.925,12.225 48.295,12.225 48,11.93 v3(48,11.4)
DRAM_D15: U1.AC7 U2.H8 | length 27.6
  L1 w0.093: U1.AC7@34.5,15.2 v2(34.9,14.8) ; v3(49.6,11.4) v2(50,11)
  L2 w0.1: v2(34.9,14.8) v3(35.2,14.5) ; v3(49.6,11.4) v2(50,11)
  L3 w0.08: v3(35.2,14.5) 35.2,14.85 35.525,15.175 35.893,15.175 36.368,14.7 36.717,14.7 37.423,13.994 38.194,13.994 38.75,14.55 47.3,14.55 47.717,14.133 48.233,14.133 48.65,14.55 51.85,14.55 52.5,13.9 52.5,12.3 52.3,12.1 52.1,12.1 51.8,12.4 51.5,12.4 51.198,12.098 51.198,10.998 51.05,10.85 50.75,10.85 50.6,11 50.6,11.2 50.4,11.4 v3(49.6,11.4)
DRAM_D16: U1.AB7 U3.E3 | length 28.5
  L1 w0.093: U1.AB7@33.7,15.2 v1(34.1,14.8)
  L10 w0.08: v1(34.1,14.8) 34.1,15 33.725,15.375 33.725,16.505 33.455,16.775 33.195,16.775 32.925,17.045 32.925,17.45 33.075,17.6 33.7,17.6 33.85,17.75 33.85,18 33.7,18.15 32.55,18.15 32.4,18.3 32.4,18.55 32.55,18.7 33.45,18.7 33.975,19.225 34.255,19.225 34.415,19.385 37.04,19.385 37.15,19.275 39.219,19.275 39.543,18.95 39.543,18.432 39.937,18.038 41.236,18.038 43.775,15.499 43.775,14.925 44.113,14.587 44.913,14.587 46.375,13.125 46.375,11.425 v6(47.2,10.6)
  L11 w0.1: v6(47.2,10.6) v5(47.6,11)
  L12 w0.093: v6(47.2,10.6) v5(47.6,11)
DRAM_D17: U1.AA8 U3.F8 | length 28.5
  L1 w0.093: U1.AA8@32.9,16 v1(33.3,15.6)
  L10 w0.08: v1(33.3,15.6) 33.525,15.375 33.525,15.117 33.7,14.942 33.7,14.183 34.675,13.208 34.675,11.725 35.9,10.5 35.9,9.783 36.8,8.883 36.8,6.9 40.2,3.5 47.7,3.5 48.05,3.85 48.05,4.25 47.9,4.4 47.7,4.4 47.55,4.55 47.55,4.85 47.7,5 48.53,5 48.775,5.245 48.775,5.555 48.53,5.8 v6(48,5.8)
  L11 w0.1: v5(47.6,6.2) v6(48,5.8)
  L12 w0.093: v5(47.6,6.2) U3.F8@48,6.6
DRAM_D18: U1.AB9 U3.H7 | length 28.5
  L1 w0.093: U1.AB9@33.7,16.8 v1(34.1,16.4)
  L10 w0.08: v1(34.1,16.4) 34.1,16.13 34.475,15.755 34.475,15.4 34.7,15.175 34.7,14.45 34.55,14.3 34.55,14 35.1,13.45 35.1,11.93 39.387,7.643 39.387,6.913 39.6,6.7 39.6,4.9 40.25,4.25 40.55,4.25 40.7,4.4 40.7,4.6 40.85,4.75 41.15,4.75 41.3,4.6 41.3,4.267 41.467,4.1 45.7,4.1 46.4,4.8 46.4,5.53 46.695,5.825 46.955,5.825 47.175,6.045 47.175,6.178 47.997,7 48.67,7 49.07,7.4 v6(49.6,7.4)
  L11 w0.1: v5(49.2,7.8) v6(49.6,7.4)
  L12 w0.093: v5(49.2,7.8) v6(49.6,7.4)
DRAM_D19: U1.Y9 U3.H3 | length 28.5
  L1 w0.093: v1(31.7,17.2) U1.Y9@32.1,16.8
  L10 w0.08: v1(31.7,17.2) 31.7,19.5 31.9,19.7 32.859,19.7 33.334,20.175 34.625,20.175 34.717,20.083 35.125,20.083 35.424,19.785 40.346,19.785 44.8,15.33 44.939,15.33 45.67,14.6 46.4,14.6 46.6,14.4 46.6,14.199 46.488,14.087 46.488,13.885 46.688,13.685 46.89,13.685 47.101,13.897 47.303,13.897 47.503,13.697 47.503,13.28 48.025,12.758 48.025,12.025 47.6,11.6 47.6,11.2 47.8,11 48.9,11 49.3,11.4 v6(49.6,11.4)
  L11 w0.1: v5(49.2,11) v6(49.6,11.4)
  L12 w0.093: v5(49.2,11) U3.H3@49.6,10.6
DRAM_D20: U1.Y7 U3.H8 | length 28.5
  L1 w0.093: U1.Y7@32.1,15.2 v1(32.5,14.8)
  L10 w0.08: v1(32.5,14.8) 32.709,14.8 34.475,13.034 34.475,11.642 35.7,10.417 35.7,9.7 36.5,8.9 36.5,6.8 40.1,3.2 48,3.2 49,4.2 49,4.5 49.6,5.1 v6(49.6,6.6)
  L11 w0.1: v6(49.6,6.6) v5(50,7)
  L12 w0.093: v6(49.6,6.6) v5(50,7)
DRAM_D21: U1.Y8 U3.G2 | length 28.6
  L1 w0.093: U1.Y8@32.1,16 v1(32.5,15.6)
  L10 w0.08: v1(32.5,15.6) 32.5,15.73 31.3,16.93 31.3,19.5 31.8,20 32.876,20 33.251,20.375 35.195,20.375 35.545,20.025 40.475,20.025 44.925,15.575 45.855,15.575 46.1,15.33 46.1,15.15 46.425,14.825 46.705,14.825 48.8,12.73 v6(48.8,11.4)
  L11 w0.1: v5(48.4,11) v6(48.8,11.4)
  L12 w0.093: v5(48.4,11) v6(48.8,11.4)
DRAM_D22: U1.AC8 U3.F7 | length 28.5
  L1 w0.093: U1.AC8@34.5,16 v1(34.9,15.6)
  L10 w0.08: v1(34.9,15.6) 34.9,14.2 35.3,13.8 35.3,12.1 39.7,7.7 39.7,7.1 39.9,6.9 39.9,5 40.05,4.85 40.35,4.85 40.8,5.3 41.6,5.3 41.75,5.15 41.75,4.55 41.9,4.4 42.15,4.4 42.3,4.55 42.3,5.15 42.45,5.3 42.7,5.3 42.85,5.15 42.85,4.55 43,4.4 43.25,4.4 43.4,4.55 43.4,4.85 43.55,5 43.8,5 43.95,4.85 43.95,4.55 44.1,4.4 44.35,4.4 44.5,4.55 44.5,4.85 44.65,5 44.9,5 45.05,4.85 45.05,4.55 45.2,4.4 45.425,4.4 45.575,4.55 45.575,5.505 45.895,5.825 46.155,5.825 46.425,6.095 46.425,6.355 46.67,6.6 47.1,6.6 47.7,7.2 47.8,7.2 v6(48,7.4)
  L11 w0.1: v6(48,7.4) v5(48.4,7)
  L12 w0.093: v6(48,7.4) v5(48.4,7)